# Allegro board 20173009_BALENA-FIN_V10.brd (continued)
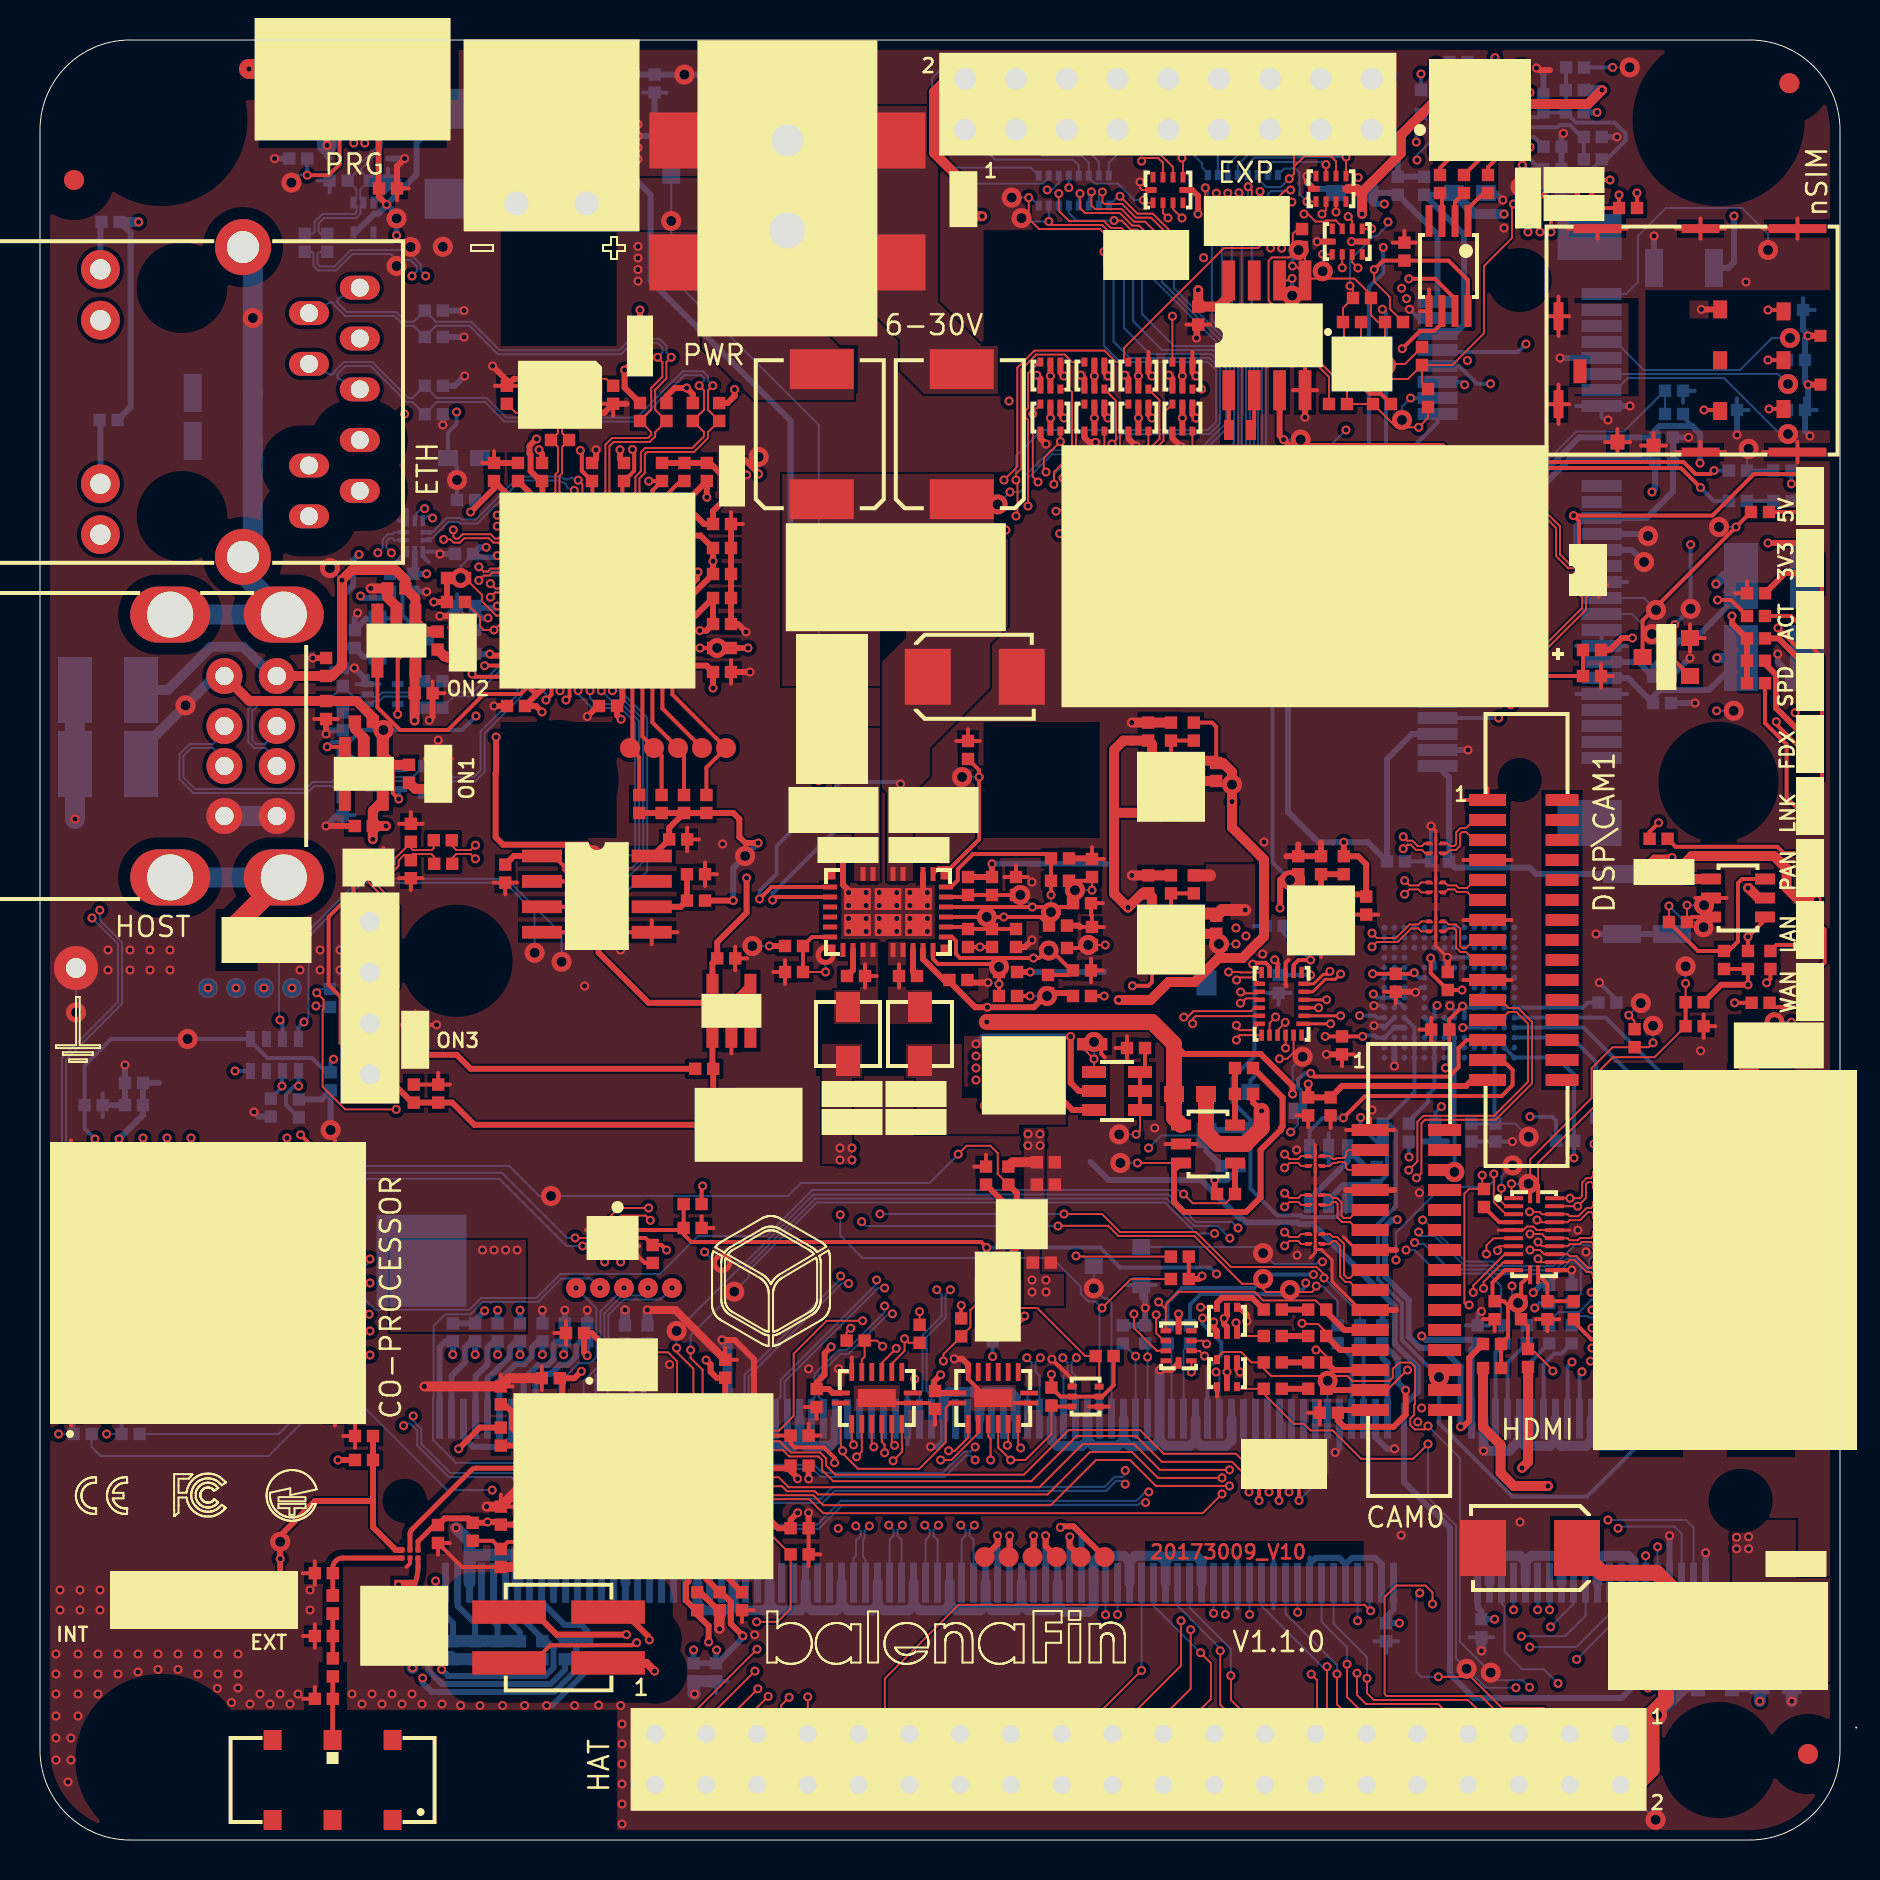
[diagram p0: board, top side]
## Placement (name value [footprint] x y rotation side) (continued)
NOREF  -  []  39.58 80.43 90 top
NOREF#2  -  []  70.24 49.43 90 top
NOREF#3  -  []  73.08 35.51 90 top
NOREF#4  -  []  64.21 33.8 90 top
NOREF#5  -  []  89.65 63.7 90 top
NOREF#6  -  []  53 37.8 90 top
NOREF#7  -  []  47.6 44.65 90 top
NOREF#8  -  []  87.26 68.78 0 top
NOREF#9  -  []  86.56 62.03 90 top
NOREF#10  -  []  58.08 24.56 90 top
NOREF#11  -  []  36.23 37.41 0 top
NOREF#12  -  []  18.23 48.4 0 top
NOREF#13  -  []  69.59 47.38 0 top
NOREF#14  -  []  63.67 81.66 0 top
NOREF#15  -  []  20.64 9.04 90 top
NOREF#16  -  []  80.16 81.29 90 top
NOREF#17  -  []  13.25 36.72 90 top
NOREF#18  -  []  75.17 86.38 90 top
NOREF#19  -  []  78.47 61.12 0 top
NOREF#20  -  []  39.6 54.3 90 top
NOREF#21  -  []  21.45 10.25 0 top
NOREF#22  -  []  23.35 21.47 90 top
NOREF#23  -  []  85.05 59.1 0 top
NOREF#24  -  []  25.93 77.6 90 top
NOREF#25  -  []  80.5 8.52 90 top
NOREF#26  -  []  64.36 47.98 90 top
NOREF#27  -  []  55.1 48.54 0 top
NOREF#28  -  []  71.51 82.04 90 top
NOREF#29  -  []  25.68 23.4 0 top
NOREF#30  -  []  34.86 59.29 90 top
NOREF#31  -  []  12.19 48.13 90 top
NOREF#32  -  []  7.9 42.6 0 top
NOREF#33  -  []  85.94 62.65 0 top
NOREF#34  -  []  80.96 56.54 90 top
NOREF#35  -  []  83.91 61.12 0 top
NOREF#36  -  []  18.98 62.1 90 top
NOREF#37  -  []  42.3 38.6 90 top
NOREF#38  -  []  19.32 57.65 0 top
NOREF#39  -  []  75.66 27.45 90 top
NOREF#40  -  []  22.21 11.86 0 top
NOREF#41  -  []  83.05 9.83 90 top
NOREF#42  -  []  14.33 13.65 0 top
NOREF#43  -  []  73.98 78 0 top
NOREF#44  -  [unnamed#2]  83.93 52.9 0 top
NOREF#45  -  []  71.89 31.96 0 top
NOREF#46  -  []  64.88 60.2 0 top
NOREF#47  -  []  22.73 22.09 0 top
NOREF#48  -  []  87.35 51.3 0 top
NOREF#49  -  []  17.19 63.62 0 top
NOREF#50  -  []  31.89 51.66 0 top
NOREF#51  -  []  35.45 86.55 0 top
NOREF#52  -  []  84.87 9.92 0 top
NOREF#53  -  []  81.44 26.04 0 top
NOREF#54  -  []  4.5 0 90 top
NOREF#55  -  []  28.02 86.28 0 top
NOREF#56  -  []  29.5 75.1 0 top
NOREF#57  -  []  20.41 12.71 0 top
NOREF#58  -  []  80.71 10.57 0 top
NOREF#59  -  []  77.25 64.09 90 top
NOREF#60  -  []  41.73 61.23 0 top
NOREF#61  -  []  71.69 88.59 90 top
NOREF#62  -  []  52.91 47.84 90 top
NOREF#63  -  []  14.95 13.03 90 top
NOREF#64  -  []  63.4 82.41 0 top
NOREF#65  -  []  20.22 37.46 90 top
NOREF#66  -  []  4.56 37.55 90 top
NOREF#67  -  []  55.3 53.54 0 top
NOREF#68  -  []  13.74 10.2 0 top
NOREF#69  -  []  33.56 46.66 90 top
NOREF#70  -  []  58.54 81.99 90 top
NOREF#71  -  []  14.83 55.79 0 top
NOREF#72  -  []  4.25 36.74 0 top
NOREF#73  -  []  81.25 72.46 0 top
NOREF#74  -  []  83.25 8.19 0 top
NOREF#75  -  []  51.34 43.79 0 top
NOREF#76  -  []  27.97 29.42 90 top
NOREF#77  -  []  66.58 85.52 90 top
NOREF#78  -  []  42.95 43.2 0 top
NOREF#79  -  []  84.45 68.47 0 top
NOREF#80  -  []  64.84 35.92 90 top
NOREF#81  -  []  25.99 25.66 0 top
NOREF#82  -  []  69.52 82.85 90 top
NOREF#83  -  []  85.66 58.65 90 top
NOREF#84  -  []  69.88 67.3 0 top
NOREF#85  -  []  30 73.9 90 top
NOREF#86  -  []  42.64 43.51 0 top
NOREF#87  -  []  67.86 71.49 90 top
NOREF#88  -  []  81.02 10.26 90 top
NOREF#89  -  []  13.45 76.34 0 top
NOREF#90  -  []  33.17 11.18 90 top
NOREF#91  -  []  85.99 7.69 0 top
NOREF#92  -  []  71.91 86.64 0 top
NOREF#93  -  []  7.19 71.4 90 top
NOREF#94  -  []  2.82 37.05 0 top
NOREF#95  -  []  53.22 70.44 90 top
NOREF#96  -  []  60.88 22.87 0 top
NOREF#97  -  []  87 75.1 0 top
NOREF#98  -  []  49.11 46.94 90 top
NOREF#99  -  []  70.77 40.21 90 top
NOREF#100  -  []  82.87 24.83 90 top
NOREF#101  -  []  59.7 25.06 90 top
NOREF#102  -  []  83.25 79.55 0 top
NOREF#103  -  []  67 73.8 90 top
NOREF#104  -  []  69.05 87.5 0 top
NOREF#105  -  []  22.07 9.63 90 top
NOREF#106  -  []  49.11 45.24 90 top
NOREF#107  -  []  20.75 64.3 0 top
NOREF#108  -  []  56.78 35.3 0 top
NOREF#109  -  []  16.57 60.82 0 top
NOREF#110  -  []  72.19 25.42 90 top
NOREF#111  -  []  4.39 12 0 top
NOREF#112  -  []  20.04 62.21 0 top
NOREF#113  -  []  34.86 60.49 90 top
NOREF#114  -  []  15.74 50.7 0 top
NOREF#115  -  []  43.26 42.89 90 top
NOREF#116  -  []  21.76 9.04 90 top
NOREF#117  -  []  74.66 62.91 0 top
NOREF#118  -  []  57.46 78 90 top
NOREF#119  -  []  7.19 70.9 0 top
NOREF#120  -  []  67.48 43.62 0 top
NOREF#121  -  []  63.74 48.6 0 top
NOREF#122  -  []  62 48 0 top
NOREF#123  -  []  77 83.4 0 top
NOREF#124  -  []  61.39 81.74 0 top
NOREF#125  -  []  64.21 33.6 90 top
NOREF#126  -  []  39.59 21.73 0 top
NOREF#127  -  []  64.05 48.29 90 top
NOREF#128  -  []  33.62 42.81 0 top
NOREF#129  -  []  19.83 75.46 0 top
NOREF#130  -  []  87.17 71.55 90 top
NOREF#131  -  []  4.47 36.82 0 top
NOREF#132  -  []  33.37 17.89 90 top
NOREF#133  -  []  63.69 31.45 90 top
NOREF#134  -  []  72.81 28.82 0 top
NOREF#135  -  []  77.8 36.12 0 top
NOREF#136  -  []  27.95 56.7 0 top
NOREF#137  -  []  68.56 48.62 90 top
NOREF#138  -  []  33.86 44.08 0 top
NOREF#139  -  []  49.99 29.77 90 top
NOREF#140  -  []  57.47 74.12 0 top
NOREF#141  -  []  51.61 22.67 0 top
NOREF#142  -  []  61.53 72.43 0 top
NOREF#143  -  []  83.86 10.14 90 top
NOREF#144  -  []  11.94 54.16 0 top
NOREF#145  -  []  69.09 71.96 0 top
NOREF#146  -  []  63.1 24.19 0 top
NOREF#147  -  []  37.53 15.59 0 top
NOREF#148  -  []  86.76 66.09 90 top
NOREF#149  -  []  30.37 24.83 90 top
NOREF#150  -  []  19.24 72.71 0 top
NOREF#151  -  []  20.45 76.16 90 top
NOREF#152  -  []  82.06 25.42 90 top
NOREF#153  -  []  29.05 23.89 90 top
NOREF#154  -  []  86.9 72.8 0 top
NOREF#155  -  []  43.24 56.76 90 top
NOREF#156  -  []  72.07 10.14 90 top
NOREF#157  -  []  58.85 22.66 0 top
NOREF#158  -  []  27.7 86.59 0 top
NOREF#159  -  []  60.63 39.91 0 top
NOREF#160  -  []  42.73 52.45 0 top
NOREF#161  -  []  40.35 43.2 0 top
NOREF#162  -  []  14.05 80.62 0 top
NOREF#163  -  []  82.87 42.2 0 top
NOREF#164  -  []  80.72 10.2 0 top
NOREF#165  -  []  38.3 39.7 0 top
NOREF#166  -  []  52.95 21.67 90 top
NOREF#167  -  []  1.75 53.8 0 top
NOREF#168  -  []  44.29 25.45 90 top
NOREF#169  -  []  62.24 42.04 90 top
NOREF#170  -  []  71.26 36.13 0 top
NOREF#171  -  []  72.38 10.73 90 top
NOREF#172  -  []  81.34 69.12 0 top
NOREF#173  -  []  33.09 86.7 90 top
NOREF#174  -  []  63.41 36.23 90 top
NOREF#175  -  []  1.99 21.29 90 top
NOREF#176  -  []  22.82 7.01 90 top
NOREF#177  -  []  45.75 25.49 0 top
NOREF#178  -  []  57.83 35.87 0 top
NOREF#179  -  []  24 24.93 90 top
NOREF#180  -  []  51.96 41.89 90 top
NOREF#181  -  []  30.73 87.37 90 top
NOREF#182  -  []  34.26 23.11 90 top
NOREF#183  -  []  37.84 15.28 90 top
NOREF#184  -  []  89.65 54.4 90 top
NOREF#185  -  []  46.4 44.65 90 top
NOREF#186  -  []  78.4 83.72 90 top
NOREF#187  -  []  17.63 86.8 0 top
NOREF#188  -  []  72.73 66.47 90 top
NOREF#189  -  []  61.19 23.88 0 top
NOREF#190  -  []  31.4 54.6 0 top
NOREF#191  -  []  31.08 51.35 90 top
NOREF#192  -  []  75.46 24.83 90 top
NOREF#193  -  []  33.39 31.49 90 top
NOREF#194  -  []  26.97 17.49 90 top
NOREF#195  -  []  63.22 48.88 90 top
NOREF#196  -  []  57.2 36.9 90 top
NOREF#197  -  []  59.2 70 90 top
NOREF#198  -  []  30.42 88.58 0 top
NOREF#199  -  []  17.5 62.41 90 top
NOREF#200  -  []  54.42 70.44 0 top
NOREF#201  -  []  76.48 33.6 0 top
NOREF#202  -  []  54.27 71.57 90 top
NOREF#203  -  []  75.37 26.04 90 top
NOREF#204  -  []  75.99 88.94 0 top
NOREF#205  -  []  42.65 49.1 90 top
NOREF#206  -  []  63.69 29.5 90 top
NOREF#207  -  []  23.21 60.58 90 top
NOREF#208  -  []  59.16 31.99 90 top
NOREF#209  -  []  77.19 84.03 0 top
NOREF#210  -  []  51.14 48.27 0 top
NOREF#211  -  []  68.2 82.85 90 top
NOREF#212  -  []  20.45 72.4 90 top
NOREF#213  -  []  84.36 66.47 90 top
NOREF#214  -  []  49.64 28.87 0 top
NOREF#215  -  []  84.51 43.24 90 top
NOREF#216  -  []  43.15 49.5 0 top
NOREF#217  -  []  31.41 67.64 90 top
NOREF#218  -  []  44.3 48.17 90 top
NOREF#219  -  []  10.76 38.85 90 top
NOREF#220  -  []  64.48 79.02 0 top
NOREF#221  -  []  65.19 25.42 90 top
NOREF#222  -  []  26.97 17.89 90 top
NOREF#223  -  []  67.68 12.86 0 top
NOREF#224  -  []  77.19 85.15 0 top
NOREF#225  -  []  81.56 72.15 90 top
NOREF#226  -  []  84.36 61.12 90 top
NOREF#227  -  []  84.2 64.85 0 top
NOREF#228  -  []  12 6.55 0 top
NOREF#229  -  []  19.38 50.3 0 top
NOREF#230  -  []  18.23 16.96 0 top
NOREF#231  -  []  14.13 85.45 90 top
NOREF#232  -  []  69.41 73.44 90 top
NOREF#233  -  []  25.12 9.04 90 top
NOREF#234  -  []  6.51 48.13 90 top
NOREF#235  -  []  41.86 84.08 90 top
NOREF#236  -  []  68.53 79.56 90 top
NOREF#237  -  []  16.05 59.29 90 top
NOREF#238  -  []  10.9 86.92 0 top
NOREF#239  -  []  33.32 51.35 90 top
NOREF#240  -  []  47.91 44.34 90 top
NOREF#241  -  []  44 38.95 90 top
NOREF#242  -  []  58.54 81.99 90 top
NOREF#243  -  []  12.71 39.65 90 top
NOREF#244  -  []  73.56 86.99 90 top
NOREF#245  -  []  59.44 72.49 0 top
NOREF#246  -  []  46.71 45.24 90 top
NOREF#247  -  []  131.13 6.6 90 top
NOREF#248  -  []  37.22 15.9 0 top
NOREF#249  -  []  32.55 11.8 0 top
NOREF#250  -  []  64.76 71.49 90 top
NOREF#251  -  []  84.2 43.55 90 top
NOREF#252  -  []  43.67 26.07 0 top
NOREF#253  -  []  87.35 74 0 top
NOREF#254  -  []  32.18 30.6 0 top
NOREF#255  -  []  56.78 33.35 90 top
NOREF#256  -  []  85.71 43.24 90 top
NOREF#257  -  []  55.3 51.79 90 top
NOREF#258  -  []  67 11.15 0 top
NOREF#259  -  []  65.91 82.75 0 top
NOREF#260  -  []  15.97 80.23 90 top
NOREF#261  -  []  85.89 38.78 90 top
NOREF#262  -  []  60.34 38.91 0 top
NOREF#263  -  []  24.21 68.54 90 top
NOREF#264  -  []  32.86 11.49 90 top
NOREF#265  -  []  46.29 20.35 90 top
NOREF#266  -  []  52.07 72.77 0 top
NOREF#267  -  []  60.48 65.3 0 top
NOREF#268  -  []  28.43 30.67 0 top
NOREF#269  -  []  34.86 61.79 90 top
NOREF#270  -  []  22.88 24.93 90 top
NOREF#271  -  []  72.74 23.91 0 top
NOREF#272  -  []  85.94 61.51 0 top
NOREF#273  -  []  61.19 25.2 0 top
NOREF#274  -  []  85.49 7.29 90 top
NOREF#275  -  []  15.44 19.31 0 top
NOREF#276  -  []  24.31 9.63 90 top
NOREF#277  -  []  84.48 16.97 0 top
NOREF#278  -  []  47.29 48.46 0 top
NOREF#279  -  []  17.82 61.32 0 top
NOREF#280  -  []  54.27 72.77 0 top
NOREF#281  -  []  3.94 37.05 0 top
NOREF#282  -  []  80.94 72.77 0 top
NOREF#283  -  []  9.43 0.8 0 top
NOREF#284  -  []  35.1 11.49 90 top
NOREF#285  -  []  47.87 36.88 90 top
NOREF#286  -  []  87.99 40.68 0 top
NOREF#287  -  []  83.89 43.86 0 top
NOREF#288  -  []  79.55 44.35 90 top
NOREF#289  -  []  21.96 63.99 90 top
NOREF#290  -  []  18.5 14.5 0 top
NOREF#291  -  []  32.22 67.95 90 top
NOREF#292  -  []  86.67 66.95 0 top
NOREF#293  -  []  65.41 39.87 90 top
NOREF#294  -  []  36.67 22.34 0 top
NOREF#295  -  []  18.54 48.09 90 top
NOREF#296  -  []  47.29 44.96 0 top
NOREF#297  -  []  62.8 46.86 0 top
NOREF#298  -  []  50.24 49.39 0 top
NOREF#299  -  []  31.67 78.88 90 top
NOREF#300  -  []  84.36 61.12 90 top
NOREF#301  -  []  46.29 23.85 0 top
NOREF#302  -  []  38.52 21.96 0 top
NOREF#303  -  []  59.7 71 0 top
NOREF#304  -  []  81.84 71.61 0 top
NOREF#305  -  []  16.5 38.29 90 top
NOREF#306  -  []  33.49 9.15 0 top
NOREF#307  -  []  23.35 56.7 0 top
NOREF#308  -  []  28.89 68.26 0 top
NOREF#309  -  []  7.64 69.95 0 top
NOREF#310  -  []  58.19 82.2 0 top
NOREF#311  -  []  19.24 75.15 0 top
NOREF#312  -  []  53.56 78.5 90 top
NOREF#313  -  []  24.32 18.59 0 top
NOREF#314  -  []  19.53 87.86 0 top
NOREF#315  -  []  23.34 71.81 90 top
NOREF#316  -  []  69.72 49.03 90 top
NOREF#317  -  []  80.75 68.81 0 top
NOREF#318  -  []  55.06 27.75 90 top
NOREF#319  -  []  82.87 41 0 top
NOREF#320  -  []  65.5 48.88 90 top
NOREF#321  -  []  15.75 19 0 top
NOREF#322  -  []  63.1 36.54 0 top
NOREF#323  -  []  57.21 78.75 90 top
NOREF#324  -  []  73.68 29.69 90 top
NOREF#325  -  []  18.91 56.93 0 top
NOREF#326  -  []  64.43 31.85 0 top
NOREF#327  -  []  46.71 21.65 0 top
NOREF#328  -  []  31.56 83.21 0 top
NOREF#329  -  []  54.61 28.15 0 top
NOREF#330  -  []  10.19 73.3 0 top
NOREF#331  -  []  36.94 45.01 0 top
NOREF#332  -  []  75.06 26.35 0 top
NOREF#333  -  []  57.75 27.74 90 top
NOREF#334  -  []  83.49 40.38 90 top
NOREF#335  -  []  48.49 47.56 0 top
NOREF#336  -  []  65.2 73.05 0 top
NOREF#337  -  []  70.08 35.51 90 top
NOREF#338  -  []  57.38 56.18 0 top
NOREF#339  -  []  80.96 57.86 90 top
NOREF#340  -  []  58.54 32.61 0 top
NOREF#341  -  []  40.47 23.85 0 top
NOREF#342  -  []  32.51 51.04 90 top
NOREF#343  -  []  79.68 58.75 90 top
NOREF#344  -  []  67.89 82.27 90 top
NOREF#345  -  []  61.5 24.89 90 top
NOREF#346  -  []  41.9 39.7 0 top
NOREF#347  -  []  75.8 34.96 0 top
NOREF#348  -  []  77.95 62.75 90 top
NOREF#349  -  []  2.67 71.31 0 top
NOREF#350  -  []  16.57 52.55 90 top
NOREF#351  -  []  75.74 82.71 0 top
NOREF#352  -  []  85.73 65.3 0 top
NOREF#353  -  []  34.57 22.8 90 top
NOREF#354  -  []  18.8 59.72 90 top
NOREF#355  -  []  26.24 24.93 90 top
NOREF#356  -  []  87.25 76.5 0 top
NOREF#357  -  []  40.15 48.78 0 top
NOREF#358  -  []  32.67 49.72 90 top
NOREF#359  -  []  54.85 43.27 90 top
NOREF#360  -  []  51.65 46.84 0 top
NOREF#361  -  []  34.11 8.53 90 top
NOREF#362  -  []  1.68 20.3 0 top
NOREF#363  -  []  55.65 83.14 0 top
NOREF#364  -  []  21.5 69.5 0 top
NOREF#365  -  []  66.59 81.24 90 top
NOREF#366  -  []  39.14 21.34 90 top
NOREF#367  -  []  15.68 49.17 0 top
NOREF#368  -  []  38.7 42 0 top
NOREF#369  -  []  44.39 58.16 0 top
NOREF#370  -  []  6.07 86 0 top
NOREF#371  -  []  47.95 43.4 0 top
NOREF#372  -  []  55.1 56.18 0 top
NOREF#373  -  []  54.94 39.91 0 top
NOREF#374  -  []  16.34 20.51 0 top
NOREF#375  -  []  75.46 26.85 90 top
NOREF#376  -  []  62.49 79.7 90 top
NOREF#377  -  []  87.35 42 0 top
NOREF#378  -  []  78 81.2 90 top
NOREF#379  -  []  41.67 80.08 0 top
NOREF#380  -  []  28.26 56.39 90 top
NOREF#381  -  []  19.71 48.81 0 top
NOREF#382  -  []  21.76 24.93 90 top
NOREF#383  -  []  74.86 87.59 0 top
NOREF#384  -  []  14.33 11.63 0 top
NOREF#385  -  []  23.35 14.24 90 top
NOREF#386  -  []  49.46 21.85 90 top
NOREF#387  -  []  80.4 48.4 0 top
NOREF#388  -  []  56.24 55.28 0 top
NOREF#389  -  []  47.09 71.94 90 top
NOREF#390  -  []  40.73 52.45 0 top
NOREF#391  -  []  12.93 80.62 0 top
NOREF#392  -  []  3.02 67.81 90 top
NOREF#393  -  []  1.37 20.61 0 top
NOREF#394  -  []  46.26 85.52 0 top
NOREF#395  -  []  84.87 10.67 0 top
NOREF#396  -  []  79.1 9.14 90 top
NOREF#397  -  []  55.72 47.92 90 top
NOREF#398  -  []  44.75 21.55 90 top
NOREF#399  -  []  1.75 57.5 0 top
NOREF#400  -  []  84.54 71.81 0 top
NOREF#401  -  []  19.2 53.7 0 top
NOREF#402  -  []  65.15 75.9 0 top
NOREF#403  -  []  29.69 72.16 0 top
NOREF#404  -  []  81.5 48.8 0 top
NOREF#405  -  []  42.4 46.4 0 top
NOREF#406  -  []  86.05 21.12 90 top
NOREF#407  -  []  40.64 24.66 90 top
NOREF#408  -  []  16.73 86.8 0 top
NOREF#409  -  []  57.6 76.08 0 top
NOREF#410  -  []  86.53 26.66 90 top
NOREF#411  -  []  63.33 81.59 90 top
NOREF#412  -  []  85.44 39.73 0 top
NOREF#413  -  []  66.51 79.77 90 top
NOREF#414  -  []  82.5 48 90 top
NOREF#415  -  []  75.17 84.67 0 top
NOREF#416  -  []  67.24 72.11 0 top
NOREF#417  -  []  30 70.95 90 top
NOREF#418  -  []  77.15 59.5 0 top
NOREF#419  -  []  7.64 72.35 0 top
NOREF#420  -  []  72.51 31.34 90 top
NOREF#421  -  []  69.79 47.33 90 top
NOREF#422  -  []  63.48 31.85 90 top
NOREF#423  -  []  24.22 58.82 0 top
NOREF#424  -  []  32.93 34.11 90 top
NOREF#425  -  []  19.51 53.39 90 top
NOREF#426  -  []  45.41 21.73 0 top
NOREF#427  -  []  32.35 46.97 0 top
NOREF#428  -  []  50.08 77.6 90 top
NOREF#429  -  []  55.72 55.56 90 top
NOREF#430  -  []  74.71 24.24 90 top
NOREF#431  -  []  39.6 49.5 0 top
NOREF#432  -  []  17.09 83.28 0 top
NOREF#433  -  []  64.45 71.8 0 top
NOREF#434  -  []  69.79 45.38 90 top
NOREF#435  -  []  50.39 34.54 0 top
NOREF#436  -  []  78.65 49.25 0 top
NOREF#437  -  []  20.4 69.1 0 top
NOREF#438  -  []  57.91 75.77 90 top
NOREF#439  -  []  62.35 44.23 90 top
NOREF#440  -  []  52.07 71.57 90 top
NOREF#441  -  []  16.28 85.88 0 top
NOREF#442  -  []  33.65 63.3 0 top
NOREF#443  -  []  30.27 51.04 90 top
NOREF#444  -  []  19.22 56.62 0 top
NOREF#445  -  []  81.62 8.52 90 top
NOREF#446  -  []  37.22 20.53 0 top
NOREF#447  -  []  61.39 81.74 0 top
NOREF#448  -  []  58.5 45.62 0 top
NOREF#449  -  []  21.94 14.65 90 top
NOREF#450  -  []  18.78 14.62 0 top
NOREF#451  -  []  88.15 67.6 0 top
NOREF#452  -  []  19.83 71.6 0 top
NOREF#453  -  []  25.55 70 0 top
NOREF#454  -  []  23.35 19.41 90 top
NOREF#455  -  []  39.3 35.5 90 top
NOREF#456  -  []  85.35 57.84 0 top
NOREF#457  -  []  85.05 63.2 0 top
NOREF#458  -  []  72.73 61.12 90 top
NOREF#459  -  []  64.1 18.3 90 top
NOREF#460  -  []  18.18 56.64 90 top
NOREF#461  -  []  23.26 47.87 90 top
NOREF#462  -  []  55.53 81.59 0 top
NOREF#463  -  []  79.34 28.5 90 top
NOREF#464  -  []  80.33 6.6 0 top
NOREF#465  -  []  39.3 36.9 90 top
NOREF#466  -  []  63.69 32.55 0 top
NOREF#467  -  []  15.45 55.17 90 top
NOREF#468  -  []  72.15 14.6 0 top
NOREF#469  -  []  38.83 21.65 90 top
NOREF#470  -  []  50.52 73.9 0 top
NOREF#471  -  []  7.1 66.19 90 top
NOREF#472  -  []  3.02 65.27 90 top
NOREF#473  -  []  16.39 56.79 90 top
NOREF#474  -  []  37.22 19.03 0 top
NOREF#475  -  []  52.78 24.2 0 top
NOREF#476  -  []  64.53 36.23 90 top
NOREF#477  -  []  23.83 81.83 0 top
NOREF#478  -  []  19.03 14.38 90 top
NOREF#479  -  []  57.72 51.11 90 top
NOREF#480  -  []  2.23 36.74 0 top
NOREF#481  -  []  73.56 83.99 90 top
NOREF#482  -  []  54.92 73.9 0 top
NOREF#483  -  []  51.65 42.2 0 top
NOREF#484  -  []  55 36.5 90 top
NOREF#485  -  []  60.88 26.83 0 top
NOREF#486  -  []  34.29 12.08 90 top
NOREF#487  -  []  71.07 89.21 0 top
NOREF#488  -  []  61.87 46.01 0 top
NOREF#489  -  []  81.69 49.75 90 top
NOREF#490  -  []  88.74 5.3 0 top
NOREF#491  -  []  64.35 17.55 90 top
NOREF#492  -  []  63.76 33.65 90 top
NOREF#493  -  []  35.41 12.08 90 top
NOREF#494  -  []  25.09 23.09 0 top
NOREF#495  -  []  58.85 32.3 0 top
NOREF#496  -  []  75.48 86.97 90 top
NOREF#497  -  []  49.16 41.89 90 top
NOREF#498  -  []  79.54 81.91 0 top
NOREF#499  -  []  56.88 34.34 90 top
NOREF#500  -  []  35.07 43.77 90 top
NOREF#501  -  []  21.63 14.96 90 top
NOREF#502  -  []  65.1 39.28 90 top
NOREF#503  -  []  63.48 40.7 90 top
NOREF#504  -  []  76.27 27.16 0 top
NOREF#505  -  []  20.79 60.27 0 top
NOREF#506  -  []  73.36 23.29 90 top
NOREF#507  -  []  38.7 42 90 top
NOREF#508  -  []  19.91 36.87 90 top
NOREF#509  -  []  22.06 61.39 90 top
NOREF#510  -  []  4.67 20.61 0 top
NOREF#511  -  []  63.31 33.6 0 top
NOREF#512  -  []  59.85 22.66 90 top
NOREF#513  -  []  14.64 11.32 90 top
NOREF#514  -  []  50.86 48.77 90 top
NOREF#515  -  []  51.34 47.15 0 top
NOREF#516  -  []  20.21 9.36 90 top
NOREF#517  -  []  34.45 44.39 0 top
NOREF#518  -  []  25.93 10.25 0 top
NOREF#519  -  []  82.56 26.04 0 top
NOREF#520  -  []  27.75 30.22 0 top
NOREF#521  -  []  43.86 65.05 0 top
NOREF#522  -  []  20.95 25.52 90 top
NOREF#523  -  []  28.55 23.14 90 top
NOREF#524  -  []  70.26 85.99 90 top
NOREF#525  -  []  51.04 44.91 0 top
NOREF#526  -  []  28.94 26.04 0 top
NOREF#527  -  []  49.84 32.77 0 top
NOREF#528  -  []  61.19 22.56 0 top
NOREF#529  -  []  82.08 76.02 0 top
NOREF#530  -  []  81.96 68.5 90 top
NOREF#531  -  []  32.87 89.98 0 top
NOREF#532  -  []  30.68 25.42 90 top
NOREF#533  -  []  71.57 26.04 0 top
NOREF#534  -  []  71.57 34.92 90 top
NOREF#535  -  []  62.29 83.74 0 top
NOREF#536  -  []  43.98 24.86 90 top
NOREF#537  -  []  50.45 45.72 0 top
NOREF#538  -  []  58.59 80.2 0 top
NOREF#539  -  []  53.07 72.02 0 top
NOREF#540  -  []  64.06 25.8 0 top
NOREF#541  -  []  57.19 26.04 0 top
NOREF#542  -  []  63.1 79.65 90 top
NOREF#543  -  []  60.45 18.05 0 top
NOREF#544  -  []  61.66 71.49 0 top
NOREF#545  -  []  73.15 85.82 90 top
NOREF#546  -  []  89.65 51.3 90 top
NOREF#547  -  []  86.25 112.01 90 top
NOREF#548  -  []  73.9 83.3 0 top
NOREF#549  -  []  0.9 55.45 0 top
NOREF#550  -  []  73.98 53 90 top
NOREF#551  -  []  80.05 21.12 90 top
NOREF#552  -  []  24.81 10.25 0 top
NOREF#553  -  []  63.19 39.96 90 top
NOREF#554  -  []  16.09 57.64 0 top
NOREF#555  -  []  59.35 26.64 0 top
NOREF#556  -  []  56.62 70.44 0 top
NOREF#557  -  []  78.95 81.6 0 top
NOREF#558  -  []  85.66 68.16 90 top
NOREF#559  -  []  18.23 51.12 0 top
NOREF#560  -  []  35.47 14.09 90 top
NOREF#561  -  []  14.64 11.32 90 top
NOREF#562  -  []  85.15 24.5 90 top
NOREF#563  -  []  84.17 9.83 90 top
NOREF#564  -  []  87.35 60.6 0 top
NOREF#565  -  [unnamed#2]  6.07 86 0 top
NOREF#566  -  []  18.67 62.41 90 top
NOREF#567  -  []  53.44 81.72 90 top
NOREF#568  -  []  56.86 54.66 90 top
NOREF#569  -  []  14.79 82.66 90 top
NOREF#570  -  []  4.08 20.3 0 top
NOREF#571  -  []  47.37 81.54 90 top
NOREF#572  -  []  18.45 52.86 90 top
NOREF#573  -  []  77.88 80.57 0 top
NOREF#574  -  []  48.14 37.03 90 top
NOREF#575  -  []  58.19 82.2 0 top
NOREF#576  -  []  89.65 48.2 90 top
NOREF#577  -  []  32.05 50.34 0 top
NOREF#578  -  []  20.85 60.5 0 top
NOREF#579  -  []  33.07 42.31 0 top
NOREF#580  -  []  27.84 22.44 90 top
NOREF#581  -  []  87.35 66.8 0 top
NOREF#582  -  []  84.36 61.12 90 top
NOREF#583  -  []  73.16 30.59 0 top
NOREF#584  -  []  76.4 73.77 0 top
NOREF#585  -  []  13.74 13.34 0 top
NOREF#586  -  []  15.24 51.96 0 top
NOREF#587  -  []  55.41 54.97 90 top
NOREF#588  -  []  35.52 40.11 90 top
NOREF#589  -  []  46.09 47.56 0 top
NOREF#590  -  []  28.66 71.81 90 top
NOREF#591  -  []  62.24 80.45 90 top
NOREF#592  -  []  52.91 44.44 90 top
NOREF#593  -  []  31.39 51.04 90 top
NOREF#594  -  []  50.02 72.55 90 top
NOREF#595  -  []  48.73 33.36 90 top
NOREF#596  -  []  69.1 73.75 90 top
NOREF#597  -  []  76.88 86.69 0 top
NOREF#598  -  []  23.91 58.58 0 top
NOREF#599  -  []  52.16 39.79 0 top
NOREF#600  -  []  22.95 49.08 0 top
NOREF#601  -  []  19.94 57.03 90 top
NOREF#602  -  []  59.39 33.39 90 top
NOREF#603  -  []  73.18 61.12 0 top
NOREF#604  -  []  20.53 82.06 90 top
NOREF#605  -  []  33.65 59.6 0 top
NOREF#606  -  []  27.1 71.36 90 top
NOREF#607  -  []  52.99 32.04 90 top
NOREF#608  -  []  57.5 24.86 0 top
NOREF#609  -  []  69.72 46.23 0 top
NOREF#610  -  []  7.7 15.18 90 top
NOREF#611  -  []  84.97 12.11 0 top
NOREF#612  -  []  67.58 83.47 0 top
NOREF#613  -  []  60.53 35.5 90 top
NOREF#614  -  []  55.17 81.53 90 top
NOREF#615  -  []  12.38 45.95 0 top
NOREF#616  -  []  79.41 8.83 90 top
NOREF#617  -  []  28.33 85.97 90 top
NOREF#618  -  []  22.7 67.95 90 top
NOREF#619  -  []  61.5 26.21 90 top
NOREF#620  -  []  -11.54 57.16 90 top
NOREF#621  -  []  54.35 39.6 0 top
NOREF#622  -  []  63.1 26.83 0 top
NOREF#623  -  []  19.99 59.47 0 top
NOREF#624  -  []  84.36 61.12 90 top
NOREF#625  -  []  40.47 20.35 90 top
NOREF#626  -  []  15.14 55.48 90 top
NOREF#627  -  []  64.9 72.75 90 top
NOREF#628  -  []  70.31 82.04 90 top
NOREF#629  -  []  69.93 42.3 0 top
NOREF#630  -  []  77.74 58.51 0 top
NOREF#631  -  []  0.9 59.15 0 top
NOREF#632  -  []  79.7 63.9 0 top
NOREF#633  -  []  30.79 68.26 0 top
NOREF#634  -  []  32.53 68.54 90 top
NOREF#635  -  []  92.55 36.5 0 top
NOREF#636  -  []  31.87 30.91 0 top
NOREF#637  -  []  34.79 12.7 0 top
NOREF#638  -  []  75.48 83.24 90 top
NOREF#639  -  []  17.06 62.89 0 top
NOREF#640  -  []  63.56 33.7 0 top
NOREF#641  -  []  58.59 80.2 90 top
NOREF#642  -  []  14.64 8.18 90 top
NOREF#643  -  []  53.41 79.75 90 top
NOREF#644  -  []  21.33 26.66 0 top
NOREF#645  -  []  85.04 68.78 0 top
NOREF#646  -  []  80.65 56.85 0 top
NOREF#647  -  []  27.64 57.01 0 top
NOREF#648  -  []  55.3 44.14 90 top
NOREF#649  -  []  3.77 21.91 0 top
NOREF#650  -  []  75 33.39 0 top
NOREF#651  -  []  23.19 9.63 90 top
NOREF#652  -  []  46.73 14.15 0 top
NOREF#653  -  []  21.34 64.61 0 top
NOREF#654  -  []  63.67 82.19 90 top
NOREF#655  -  []  22.73 16.08 0 top
NOREF#656  -  []  5.01 55.95 0 top
NOREF#657  -  []  60.96 36.99 90 top
NOREF#658  -  []  40.94 43.51 0 top
NOREF#659  -  []  84.01 76.53 0 top
NOREF#660  -  []  34.27 71.54 90 top
NOREF#661  -  []  33.01 51.66 0 top
NOREF#662  -  []  72.09 82.66 0 top
NOREF#663  -  []  56.47 71.57 90 top
NOREF#664  -  []  81.53 42.3 90 top
NOREF#665  -  []  78.36 59.19 90 top
NOREF#666  -  []  57.28 43.47 0 top
NOREF#667  -  []  82.55 7.19 0 top
NOREF#668  -  []  75.77 26.54 90 top
NOREF#669  -  []  52.6 48.15 90 top
NOREF#670  -  []  52.47 39.48 90 top
NOREF#671  -  []  64.21 31.85 90 top
NOREF#672  -  []  50.55 49.08 0 top
NOREF#673  -  []  64.31 81.95 90 top
NOREF#674  -  []  32.94 47.28 0 top
NOREF#675  -  []  15.45 50.93 90 top
NOREF#676  -  []  72.73 26.04 90 top
NOREF#677  -  []  63.76 31.7 90 top
NOREF#678  -  []  70.24 49.23 90 top
NOREF#679  -  []  65.93 80.07 0 top
NOREF#680  -  []  18.08 0.5 90 top
NOREF#681  -  []  16.96 19.89 90 top
NOREF#682  -  []  78.36 57.89 90 top
NOREF#683  -  []  58.59 80.2 0 top
NOREF#684  -  []  18.73 57.34 0 top
NOREF#685  -  []  20.33 82 90 top
NOREF#686  -  []  72.77 34.92 90 top
NOREF#687  -  []  31.91 69.16 0 top
NOREF#688  -  []  60.05 20.05 0 top
NOREF#689  -  []  23.04 15.77 90 top
NOREF#690  -  []  57.69 54.97 90 top
NOREF#691  -  []  64.48 79.55 90 top
NOREF#692  -  []  67.14 32.44 90 top
NOREF#693  -  []  34.24 66.11 0 top
NOREF#694  -  []  51.05 33.58 90 top
NOREF#695  -  []  21.33 26.66 0 top
NOREF#696  -  []  14.5 41.65 90 top
NOREF#697  -  []  43.24 59.56 0 top
NOREF#698  -  []  58.14 81.22 90 top
NOREF#699  -  []  50.76 45.41 90 top
NOREF#700  -  []  67.79 42.41 90 top
NOREF#701  -  []  16.57 53.55 0 top
NOREF#702  -  []  32.66 47.98 90 top
NOREF#703  -  []  36.57 84.96 0 top
NOREF#704  -  []  50.87 72.02 0 top
NOREF#705  -  []  16.95 82.58 0 top
NOREF#706  -  []  88.46 76.19 90 top
NOREF#707  -  []  19.83 73.02 0 top
NOREF#708  -  []  73.98 78 0 top
NOREF#709  -  [unnamed#2]  25.93 53 0 top
NOREF#710  -  []  22.73 14.86 0 top
NOREF#711  -  []  75.9 81.6 0 top
NOREF#712  -  []  14.94 54.16 0 top
NOREF#713  -  []  53.29 82.97 90 top
NOREF#714  -  []  62.35 47.73 0 top
NOREF#715  -  []  72.73 61.12 90 top
NOREF#716  -  []  32.35 48.29 0 top
NOREF#717  -  []  22.97 57.57 90 top
NOREF#718  -  []  28.55 30.78 0 top
NOREF#719  -  []  17.71 82.66 90 top
NOREF#720  -  []  57.72 43.47 90 top
NOREF#721  -  []  69.71 71.34 90 top
NOREF#722  -  []  50.43 34.2 0 top
NOREF#723  -  []  20.95 9.63 90 top
NOREF#724  -  []  52.6 44.75 90 top
NOREF#725  -  []  80.17 35.67 0 top
NOREF#726  -  []  83.93 4 90 top
NOREF#727  -  []  72.81 29.74 90 top
NOREF#728  -  []  15.24 51.96 90 top
NOREF#729  -  []  64.3 21.05 90 top
NOREF#730  -  []  85.35 61.2 0 top
NOREF#731  -  []  69.72 45.13 90 top
NOREF#732  -  []  85.04 58.15 0 top
NOREF#733  -  []  1.37 21.91 0 top
NOREF#734  -  []  82.05 44.35 90 top
NOREF#735  -  []  69.72 47.08 90 top
NOREF#736  -  []  22.73 20.03 0 top
NOREF#737  -  []  29.65 51.66 0 top
NOREF#738  -  []  77.5 86.07 90 top
NOREF#739  -  []  82.5 58.2 90 top
NOREF#740  -  []  55.41 47.33 90 top
NOREF#741  -  []  87.35 71.5 0 top
NOREF#742  -  []  67.44 34.61 90 top
NOREF#743  -  []  83.16 13.86 90 top
NOREF#744  -  []  78.39 36.43 0 top
NOREF#745  -  []  31.01 72.16 0 top
NOREF#746  -  []  71.2 82.35 90 top
NOREF#747  -  []  82.28 41.89 0 top
NOREF#748  -  []  41.59 23.4 0 top
NOREF#749  -  []  33.65 58.4 0 top
NOREF#750  -  []  80.34 57.16 0 top
NOREF#751  -  []  72.2 76.28 90 top
NOREF#752  -  []  90.72 34.3 90 top
NOREF#753  -  []  11.53 85.2 90 top
NOREF#754  -  []  67.91 80.18 0 top
NOREF#755  -  []  16.3 36.6 0 top
NOREF#756  -  []  57.47 72.02 0 top
NOREF#757  -  []  61.53 72.43 90 top
NOREF#758  -  []  18.85 50.5 90 top
NOREF#759  -  []  84.45 66.95 0 top
NOREF#760  -  []  16.06 18.69 90 top
NOREF#761  -  []  18.85 47.78 90 top
NOREF#762  -  []  62.29 83.74 0 top
NOREF#763  -  []  47.61 33.36 90 top
NOREF#764  -  []  79.07 61.12 90 top
NOREF#765  -  []  81.25 71.3 0 top
NOREF#766  -  []  89.65 60.6 90 top
NOREF#767  -  []  23.04 57.01 0 top
NOREF#768  -  []  64.79 40.49 0 top
NOREF#769  -  []  55.6 51.36 0 top
NOREF#770  -  []  12.94 36.13 90 top
NOREF#771  -  []  17.26 11.56 0 top
NOREF#772  -  []  84.2 60.75 0 top
NOREF#773  -  []  87.94 71.81 0 top
NOREF#774  -  []  76.11 34.65 90 top
NOREF#775  -  []  83.28 12.86 0 top
NOREF#776  -  []  33.67 12.7 0 top
NOREF#777  -  []  45.47 43 0 top
NOREF#778  -  []  61.28 45.7 0 top
NOREF#779  -  []  14.95 11.01 90 top
NOREF#780  -  []  52.94 81.72 0 top
NOREF#781  -  []  44.44 21.86 0 top
NOREF#782  -  []  58.85 25.29 90 top
NOREF#783  -  []  70.6 76.62 0 top
NOREF#784  -  []  11.69 55.86 0 top
NOREF#785  -  []  26.24 53.09 0 top
NOREF#786  -  []  55.6 43.72 0 top
NOREF#787  -  []  13.67 83.76 90 top
NOREF#788  -  []  12.83 5.2 90 top
NOREF#789  -  []  11.35 85.97 0 top
NOREF#790  -  []  71.88 35.51 90 top
NOREF#791  -  []  83.55 48.05 0 top
NOREF#792  -  []  60.97 39.96 0 top
NOREF#793  -  []  73.98 78 0 top
NOREF#794  -  []  52.22 70.44 0 top
NOREF#795  -  []  10.7 42.6 0 top
NOREF#796  -  []  13.24 79.41 90 top
NOREF#797  -  []  54.7 37.8 0 top
NOREF#798  -  []  31.46 50.03 0 top
NOREF#799  -  []  15.43 59.91 0 top
NOREF#800  -  []  49.16 43.09 90 top
NOREF#801  -  []  88.15 49 0 top
NOREF#802  -  []  56.55 47.33 90 top
NOREF#803  -  []  86.56 60.89 90 top
NOREF#804  -  []  64.9 73.6 90 top
NOREF#805  -  []  38.09 68.64 0 top
NOREF#806  -  []  49.99 29.77 90 top
NOREF#807  -  []  79.42 39.95 0 top
NOREF#808  -  []  39.8 35.9 0 top
NOREF#809  -  []  69.34 45.33 0 top
NOREF#810  -  []  67.12 24.83 90 top
NOREF#811  -  []  20.66 61.59 90 top
NOREF#812  -  []  39.09 67.04 90 top
NOREF#813  -  []  4.2 55.85 90 top
NOREF#814  -  []  87.88 68.16 90 top
NOREF#815  -  []  44.1 35.5 90 top
NOREF#816  -  []  11.84 51.2 90 top
NOREF#817  -  []  74.4 81.3 90 top
NOREF#818  -  []  25.43 9.63 90 top
NOREF#819  -  []  85.16 71.19 90 top
NOREF#820  -  []  47.87 36.88 90 top
NOREF#821  -  []  60.45 18.05 0 top
NOREF#822  -  []  20.45 70.98 90 top
NOREF#823  -  []  41.56 42.89 90 top
NOREF#824  -  []  16.39 57.79 0 top
NOREF#825  -  []  31.76 66.44 90 top
NOREF#826  -  []  37.84 18.41 90 top
NOREF#827  -  []  75.66 25.8 90 top
NOREF#828  -  []  35.91 86.15 90 top
NOREF#829  -  []  27.5 27.6 0 top
NOREF#830  -  []  101.58 69.17 90 top
NOREF#831  -  []  80.05 21.12 90 top
NOREF#832  -  []  52.29 48.46 0 top
NOREF#833  -  []  85.66 66.64 90 top
NOREF#834  -  []  47.44 27.72 90 top
NOREF#835  -  []  -3.99 63.76 0 top
NOREF#836  -  []  59.12 52.64 90 top
NOREF#837  -  []  23.56 62.22 90 top
NOREF#838  -  []  63.57 71.49 90 top
NOREF#839  -  []  75.42 82.84 0 top
NOREF#840  -  []  68.14 35.23 0 top
NOREF#841  -  []  19.57 60.73 0 top
NOREF#842  -  []  51.96 43.17 90 top
NOREF#843  -  []  62.49 79.7 90 top
NOREF#844  -  []  32.76 38.56 0 top
NOREF#845  -  []  20.35 61.9 0 top
NOREF#846  -  []  77 82 0 top
NOREF#847  -  []  23.59 69.16 0 top
NOREF#848  -  []  80.45 74.27 90 top
NOREF#849  -  []  42.4 46.4 0 top
NOREF#850  -  []  14.84 37.17 90 top
NOREF#851  -  []  46.68 42.69 90 top
NOREF#852  -  []  56.86 47.02 90 top
NOREF#853  -  []  19.53 57.63 90 top
NOREF#854  -  []  69.55 48.93 0 top
NOREF#855  -  []  76.58 24.83 90 top
NOREF#856  -  []  60.63 39.91 90 top
NOREF#857  -  []  28.35 72.12 0 top
NOREF#858  -  []  76.58 26.85 90 top
NOREF#859  -  []  11.18 0.5 0 top
NOREF#860  -  []  84.36 71.37 90 top
NOREF#861  -  []  19.69 49.99 0 top
NOREF#862  -  []  77.74 59.81 0 top
NOREF#863  -  []  32.87 89.98 90 top
NOREF#864  -  []  61.94 79.95 0 top
NOREF#865  -  []  47.95 42.2 0 top
NOREF#866  -  []  11.09 69 90 top
NOREF#867  -  []  25.2 22.44 0 top
NOREF#868  -  []  77 73.44 0 top
NOREF#869  -  []  61.62 42.66 0 top
NOREF#870  -  []  86.25 9.92 90 top
NOREF#871  -  []  30.77 51.66 0 top
NOREF#872  -  []  54.85 50.91 90 top
NOREF#873  -  []  49.79 81.47 0 top
NOREF#874  -  []  74.09 24.86 0 top
NOREF#875  -  []  78 82.6 90 top
NOREF#876  -  []  33.65 64.6 0 top
NOREF#877  -  []  18.9 14.1 90 top
NOREF#878  -  []  70.39 42.5 90 top
NOREF#879  -  []  33.32 39.61 90 top
NOREF#880  -  []  63.56 31.75 0 top
NOREF#881  -  []  56.62 72.55 0 top
NOREF#882  -  []  88.56 71.19 90 top
NOREF#883  -  []  25.93 26.14 0 top
NOREF#884  -  []  16.83 26.66 0 top
NOREF#885  -  []  22.06 66.69 90 top
NOREF#886  -  []  86.67 68.47 0 top
NOREF#887  -  []  69.95 84.45 0 top
NOREF#888  -  []  74.86 83.86 0 top
NOREF#889  -  []  45.06 21.24 90 top
NOREF#890  -  []  16.37 81.72 0 top
NOREF#891  -  []  56.06 23.8 0 top
NOREF#892  -  []  16.19 54.66 0 top
NOREF#893  -  []  14.3 58.2 90 top
NOREF#894  -  []  67.31 9.94 90 top
NOREF#895  -  []  68.22 78.97 90 top
NOREF#896  -  []  54.42 72.55 90 top
NOREF#897  -  []  40.02 25.28 0 top
NOREF#898  -  []  57.91 23.48 90 top
NOREF#899  -  []  80.48 50.06 0 top
NOREF#900  -  []  57.13 28.36 0 top
NOREF#901  -  []  29.2 67.95 90 top
NOREF#902  -  []  23.35 15.46 90 top
NOREF#903  -  []  33.65 65.8 0 top
NOREF#904  -  []  19.16 11.56 0 top
NOREF#905  -  []  63.72 23.57 90 top
NOREF#906  -  []  26.61 25.04 90 top
NOREF#907  -  []  60.88 25.51 0 top
NOREF#908  -  []  47.41 23.4 0 top
NOREF#909  -  []  50.87 72.32 90 top
NOREF#910  -  []  73.74 27.25 0 top
NOREF#911  -  []  3.02 65.27 90 top
NOREF#912  -  []  32.64 70.95 90 top
NOREF#913  -  []  71.58 21.06 0 top
NOREF#914  -  []  26.24 9.04 90 top
NOREF#915  -  []  64.1 18.3 90 top
NOREF#916  -  []  50.57 21.72 90 top
NOREF#917  -  []  4.08 21.6 0 top
NOREF#918  -  []  60.96 38.29 90 top
